# Altium PCB SDR.PcbDoc (part 4 of 5) (continued)
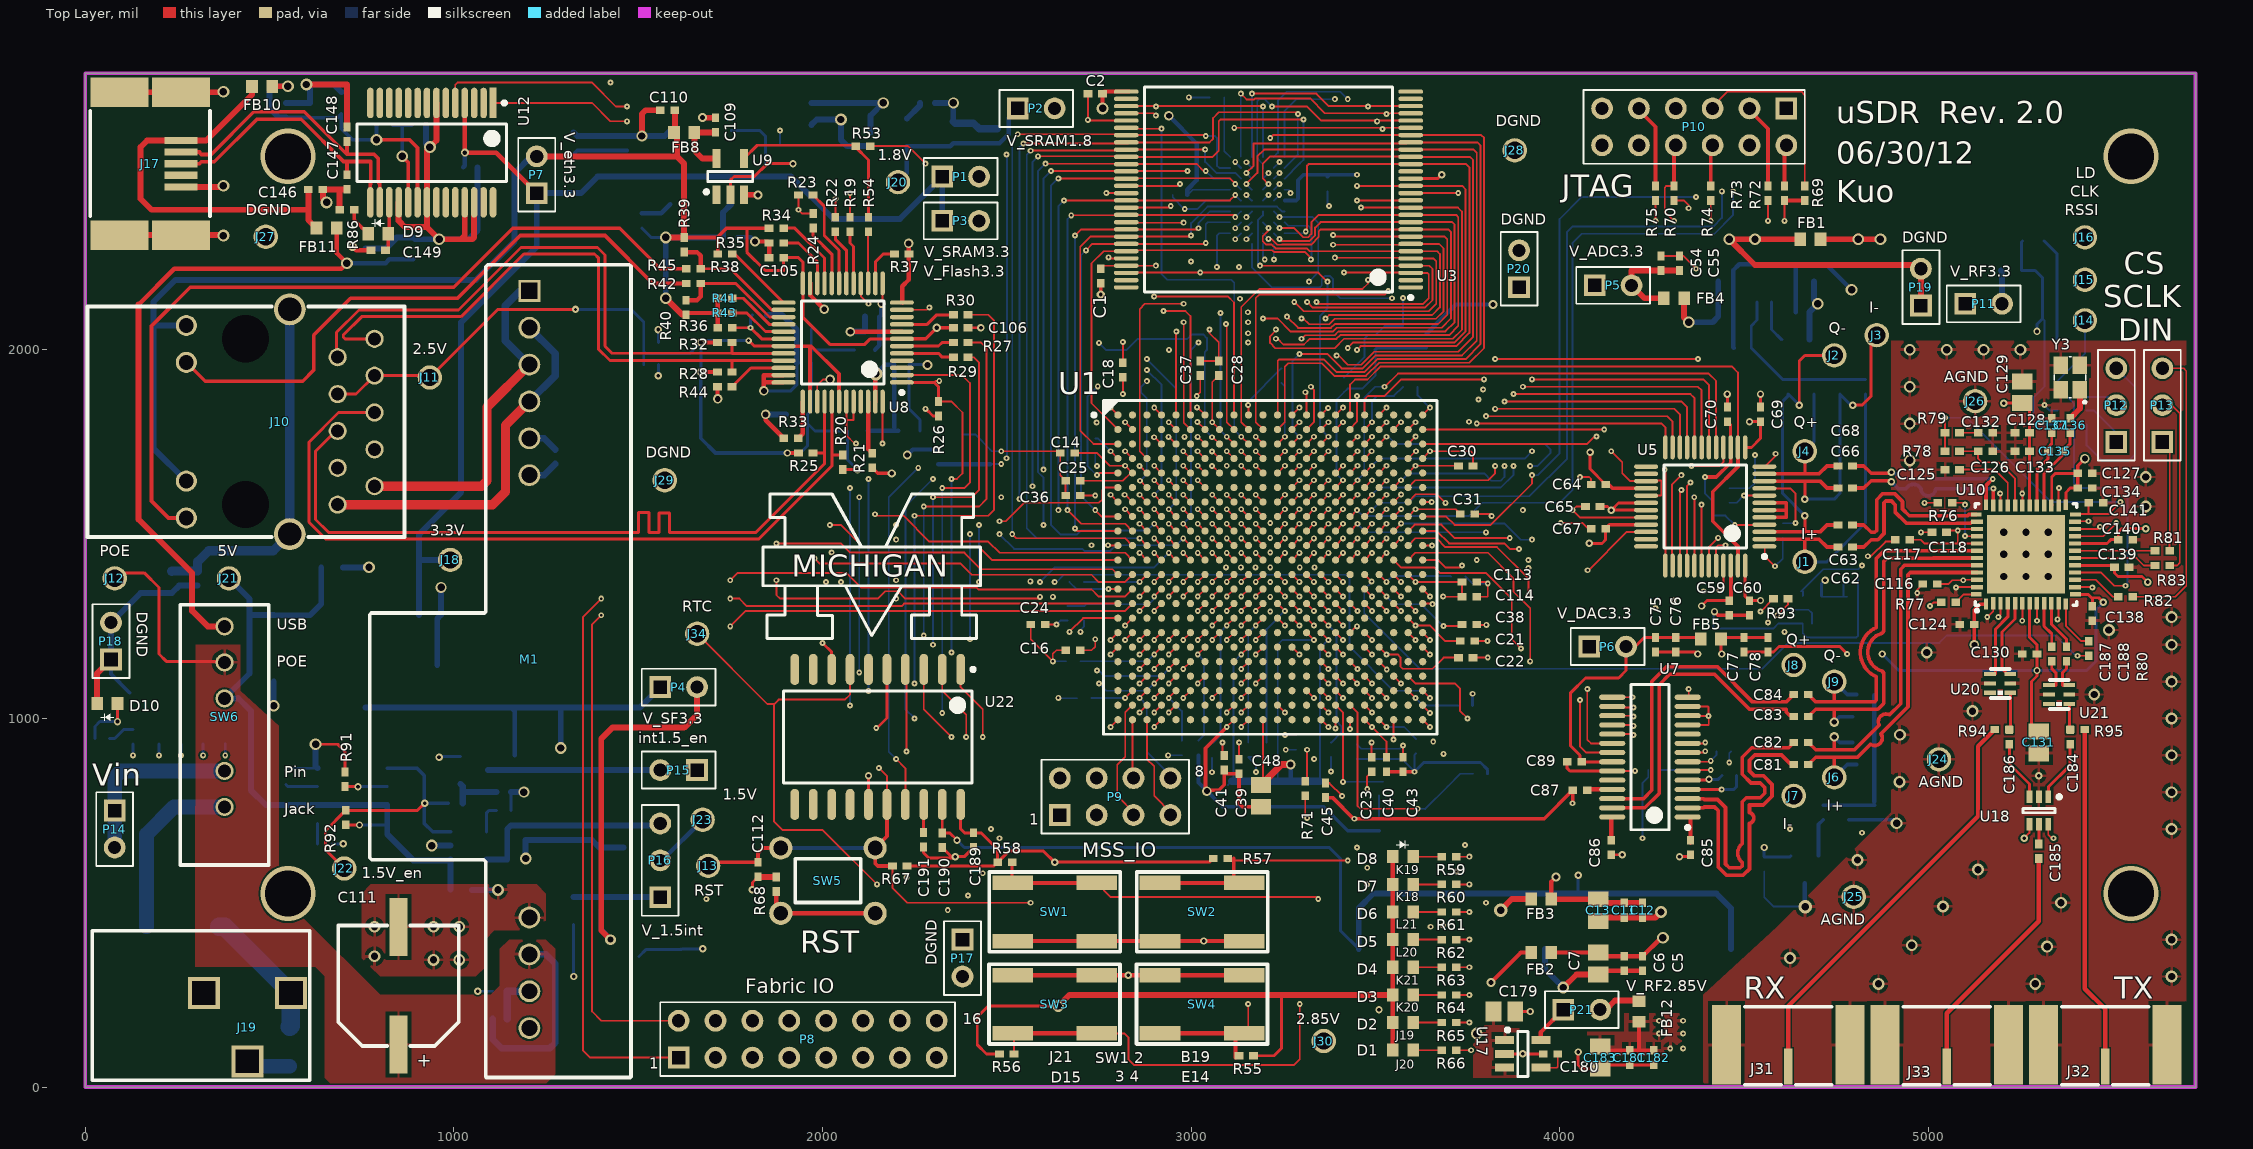
[diagram p0: Top Layer view]
## Nets (pads, with @x,y where several pads share a name; then routed paths per layer and width w, separated by ;. In a path a pad name is that pad's centre, name@x,y a point inside that pad or via, vN(x,y) a via of type N, cw(c..) or ccw(c..) an arc to the next point about the centre after c; other vN are vias at no path point) (continued)
  Top Layer w12: FB2.2@3977.56,365 C7.1@4104.53,365 ; C7.1@4114.84,354.69 C6.2@4175,354.69 C5.2@4225,354.69 v2@4275.31,405
  Mid-Layer 2 w5: v1(3085,935) 3080,940 3080,1040 3096.89,1056.89 v1(3096.89,1213.15) ; v1(3130.5,935) 3125,935 3115,945 3115,1034.41 v1(3136.26,1055.67) ; v1(3175.63,1095.04) 3214.96,1095.04 3235,1075 3235,975 v1(3255,955)
  Mid-Layer 4 w5: v1(3085,935) v1(3130.5,935) 3150.5,955 v1(3255,955) 3468.66,955 v1(3490.59,976.93) ; v1(3372.48,1055.67) v1(3411.85,1055.67) v1(3490.59,976.93) ; 3510,825 3510,957.52 v1(3490.59,976.93)
  Mid-Layer 4 w12: 3510,825 3510,670 3745,435 4250,435 v2(4280,405)
  Bottom Layer w5: v1(3255,955) C42.2@3284.69,955
VCC1.8: C155.2 C156.2 C160.1 J20.1 P2.1 U14.5 | length 477.3
  Bottom Layer w12: J20.1@2205,2455 2229.21,2479.21 U14.5@2229.21,2552.6 2347.13,2552.6 C160.1@2355,2560.47 2424.84,2560.47 C155.2@2425,2560.31 C156.2@2475,2560.31 2480.31,2560.31 2505,2585 2505,2630 P2.1@2530,2655
VCC1.8_SRAM: C4.2 P2.2 U2.D6 | length 755.1
  Mid-Layer 4 w12: P2.2@2630,2655 2675,2700 2910,2700 2940,2670 v4(2940,2635)
  Bottom Layer w5: C4.2@2989.69,2420 3004.21,2434.53 U2.D6@3106.18,2434.53
  Bottom Layer w12: v4(2940,2635) 3015,2560 3015,2460 2989.69,2434.69 C4.2@2989.69,2420
VCC2.5: C93.2 C94.2 C101.1 C102.2 C103.2 C104.2 FB6.2 FB7.2 J10.3 J10.4 J11.1 R20.1 R25.1 R28.1 R32.1 U8.31 U8.38 U8.42 | length 3273.1
  Top Layer w8: J10.4@685,1880 735,1880 J10.3@785,1930 930,1930 J11.1@935,1925 1120,2110 v11(1330,2110) ; v12(1800,2025) 1814.84,2010.16 U8.31@1894.57,2010.16 ; R20.1@2055,1675.32 2055.31,1675 v3(2095,1675)
  Top Layer w10: v7(1670,1940) R28.1@1715.32,1940 ; v7(1670,2020) R32.1@1715.32,2020 ; U8.31@1893.74,2010 1894.57,2010 1970,2010 2045.16,1934.84 U8.42@2045.16,1859.57 ; v3(1905,1720) R25.1@1935.32,1720 ; U8.38@1966.42,1858.58 U8.38@1966.42,1859.57 1966.42,2006.42
  Bottom Layer w8: v11(1330,2110) 1480,2110 1480,2110.63 1515.31,2075.31 C94.2@1515.31,2020 1515.31,1994.69 ; C93.2@1515.31,1960 1515.31,1994.69 ; v7(1670,1940) v7(1670,2020) ; v12(1800,2025) 1675,2025 v7(1670,2020) ; 1940,1720 1959.84,1739.84 C101.1@1959.84,1800.16 ; C103.2@1969.69,2055 1969.69,2000 ; FB6.2@2087.44,2000 1969.69,2000 ; v3(2095,1675) 2067.44,1702.56 FB7.2@2067.44,1780 1980,1780 C101.1@1959.84,1800.16 ; 1515.31,1994.69 1520,1990 1640,1990 v7(1670,2020) ; C101.1@1959.84,1800.16 C101.1@1959.84,1825 1969.69,1834.84 C104.2@1969.69,1905 1970,1905.31 C102.2@1970,1965 1969.69,1965.31 1969.69,2000
  Bottom Layer w10: v7(1670,1940) 1670,1760 1710,1720 v3(1905,1720) 1940,1720
VCC2.85: J30.1 P21.1 U17.5 | length 902.5
  Top Layer w12: U17.5@3949.21,127.4 3949.21,149.21 P21.1@4010,210
  Mid-Layer 4 w12: J30.1@3360,125 3425,60 3955,60 4010,115 P21.1@4010,210
VCC2.85A_RF: C116.1 C117.1 C118.1 C124.2 C127.2 C128.2 C129.1 C133.2 C134.2 C139.2 C140.2 C181.2 C182.2 C183.1 FB12.2 U10.1 U10.17 U10.20 U10.25 U10.27 U10.30 U10.39 U10.41 U10.46 | length 1848.7
  Top Layer w5: C117.1@4944.69,1480 C117.1@4949.69,1485 4980,1485 4990.47,1474.53 5080,1474.53 ; C116.1@5024.69,1365 5055,1365 5065,1375 v1(5095,1375) 5096.1,1376.1 U10.46@5132.13,1376.1 ; C118.1@5049.69,1505 5054.69,1510 v1(5080,1510) ; U10.41@5132.13,1474.53 5080,1474.53 ; U10.39@5132.13,1513.9 5083.9,1513.9 v1(5080,1510) ; 5080,1474.53 v1(5080,1510)
  Top Layer w8: v3(5205,1855) 5205.47,1855.47 C129.1@5255,1855.47 ; U10.30@5274.69,1578.03 C133.2@5274.69,1725 C128.2@5274.69,1775 C129.1@5274.69,1835.79 ; U10.27@5335,1578.98 5335,1655 5345,1665 C127.2@5405.31,1665 ; U10.25@5373.27,1579.84 5373.27,1613.27 5385,1625 C134.2@5405.31,1625 ; U10.17@5397.87,1415.47 C139.2@5504.53,1415.47 ; U10.20@5397.87,1474.53 5484.53,1474.53 5495,1485 C140.2@5515.31,1485 5515.31,1505.31 5525,1515 v3(5590,1515) ; C139.2@5505.31,1410 5505.31,1394.69 5515,1385 5580,1385 v3(5595,1370)
  Top Layer w10: C183.1@4110,109.53 4119.84,99.69 C181.2@4190,99.69 4215,99.69 ; FB12.2@4215,177.44 4215,99.69 ; C182.2@4255,99.69 4215,99.69 ; v4(5125,1200) 5125,1254.69 C124.2@5124.69,1255 5124.69,1294.69 5140.16,1310.16 U10.1@5156.73,1310.16 ; U10.27@5333.9,1577.87 U10.27@5335,1578.98 ; C134.2@5405.31,1625 C127.2@5405.31,1665 5405.31,1685.31 v4(5425,1705)
  other v1: 4300,105 4335,105 4270,145 4335,145 4270,180 4335,180
VCC3.3: C142.2 C150.2 C151.2 C152.1 C189.2 D1.1 D2.1 D3.1 D4.1 D5.1 D6.1 D7.1 D8.1 J18.1 P1.1 P3.1 P4.1 P5.1 P6.1 P7.1 P10.7 P10.10 P11.1 R55.2 R56.2 R57.2 R58.2 R67.2 R87.2 U12.4 U13.2 U13.4 U22.20 | length 14276.4
  Top Layer w8: R67.2@2229.69,600 2465.32,600 R58.2@2475.31,610 ; U22.20@2375,766.93 2375,700 2385.31,689.69 C189.2@2410,689.69 2430.31,689.69 2475.31,644.69 R58.2@2475.31,610 ; R56.2@2480.31,90 2445,90 2420,115 2420,190 2450,220 v2(2640,220) ; R57.2@3060.31,620 3050.32,610 v3(2630,610) 2600,640 2505.32,640 R58.2@2475.31,610 ; R55.2@3169.69,85 3225,85 3245,105 3245,245 3250,250
  Top Layer w12: U12.4@1029.57,2669.84 1029.57,2535.43 v7(1030,2535) 1115,2535 P7.1@1225,2425 ; D1.1@3547.44,100 D2.1@3547.44,175 D3.1@3547.44,250 D4.1@3547.44,325 D5.1@3547.44,400 D6.1@3547.44,475 D7.1@3547.44,550 D8.1@3547.44,625
  Top Layer w16: v2(2640,220) 2670,250 3250,250 D3.1@3547.44,250
  Mid-Layer 3 w8: v3(2630,610) 2640,600 v2(2640,220)
  Mid-Layer 4 w16: v2(1290,920) 1325,885 1325,380 1460,245 2615,245 v2(2640,220) ; P3.1@2325,2350 2325,2215 2361.5,2178.5 2928.5,2178.5 2947.5,2159.5 3400.56,2159.5 3461.06,2220 4050,2220 P5.1@4095,2175 ; P6.1@4080,1195 3975,1300 3975,2055 P5.1@4095,2175 ; P10.7@4315,2655 P10.10@4215,2555 4215,2285 4230,2270 ; P11.1@5100,2125 5100,2200 5030,2270 4230,2270 ; P5.1@4095,2175 4190,2270 4230,2270
  Bottom Layer w12: C142.2@1025.31,2495 1030,2499.69 v7(1030,2535) ; 1155,1029.37 1165,1019.37 R87.2@1165,899.69
  Bottom Layer w16: 760,1029.37 1155,1029.37 1290,1029.37 ; C152.1@905.97,1280.5 905.97,1430 ; J18.1@990,1430 905.97,1430 ; v2(1290,920) 1290,1029.37 ; P4.1@1560,1085 1504.37,1029.37 1290,1029.37 ; P3.1@2325,2350 P1.1@2325,2470 2210,2355 2030,2355 1915,2470 1390,2470 1345,2425 P7.1@1225,2425 1225,2280 1020,2075 1020,1614.03 905.97,1500 905.97,1430
VCC3.3_ADC: C54.2 C55.2 C59.1 C64.2 C67.2 C70.2 FB4.1 P5.2 R10.1 U5.15 U5.28 U5.33 U5.46 | length 2811.1
  Top Layer w8: v3(4080,1475) 4115,1475 4124.69,1484.69 C67.2@4124.69,1515 ; v3(4082.5,1722.5) 4082.5,1677.19 C64.2@4124.69,1635 ; v3(4385,1305) 4399.69,1319.68 C59.1@4460,1319.68 ; C70.2@4455,1805.31 4463.9,1796.42 U5.15@4463.9,1735.43
  Top Layer w10: C67.2@4124.69,1515 4135.47,1525.79 U5.33@4233.58,1525.79 ; C64.2@4125.05,1635 4132.56,1635 4143.35,1624.21 U5.28@4233.58,1624.21 ; v1(4394.5,1655) 4425,1655 4463.9,1693.9 U5.15@4463.9,1735.43 ; U5.46@4463.9,1413.58 4465,1412.48 C59.1@4465,1319.68
  Top Layer w16: FB4.1@4282.44,2140 4230,2140 P5.2@4195,2175 4195,2215 4194.69,2215.31 C54.2@4275,2215.31 C55.2@4325,2215.31
  Mid-Layer 4 w16: P5.2@4195,2175 4079,2059 4079,1726 v3(4082.5,1722.5) 4080,1720 v3(4080,1475) 4055,1450 4055,1310 4086,1279 4359,1279 v3(4385,1305) 4360,1330 4355,1330 4355,1465 4415,1525 4415,1634.5 v1(4394.5,1655)
  Bottom Layer w5: v1(4394.5,1655) 4394.5,1610.18 R10.1@4415,1589.68
VCC3.3_DAC: C75.2 C76.2 C89.1 FB5.1 P6.2 U7.22 | length 737.2
  Top Layer w8: U7.22@4142.64,882.5 C89.1@4059.69,882.5 4055,887.18 4055,900 4030,925 4030,1070 4070,1110 4160,1110 4180,1130 P6.2@4180,1195 4205,1195 4229.69,1219.69 C75.2@4260,1219.69 C76.2@4315,1219.69 4377.76,1219.69 FB5.1@4382.44,1215
VCC3.3_ETH: C90.2 C91.2 C92.1 C105.2 C106.2 C108.2 C110.2 FB8.2 J10.11 J10.13 P7.2 R21.2 R26.2 R34.1 R36.2 R38.2 R39.2 R40.2 R41.2 R43.2 R49.1 U8.7 U8.24 Y2.4 | length 5083.9
  Top Layer w8: 1795,2330 1795,2265 1845,2215 1895,2215 1894.69,2215.31 C105.2@1894.69,2250 1935,2250 1946.73,2238.27 U8.24@1946.73,2181.42 ; U8.24@1946.73,2180.43 1946.73,2088.27 2020,2015 2115,2015 2129.84,2029.84 U8.7@2215.43,2029.84 ; v1(2280,1840) 2299.69,1820.31 R26.2@2315,1820.31
  Top Layer w10: P7.2@1225,2525.32 1345,2525.32 ; R39.2@1625,2304.69 1714.69,2304.69 ; R38.2@1715.63,2260 1715.63,2303.74 1714.69,2304.69 ; R34.1@1855.32,2330 1795,2330 1740,2330 1714.69,2304.69 ; R21.2@2135,1680.31 2150.32,1665 v7(2188,1665) ; U8.7@2216.42,2029.84 2216.57,2030 2280,2030 v7(2310,2060) C106.2@2355.31,2060
  Top Layer w12: R40.2@1634.69,2100 R43.2@1715.63,2100 ; R36.2@1715.63,2060 R43.2@1715.63,2100 ; R41.2@1715.63,2140 R43.2@1715.63,2100
  Top Layer w16: P7.2@1225,2525 1605,2525 ; v2(1575,2140) 1619.69,2095.31 R40.2@1630,2095.31 ; v2(1575,2305) 1624.68,2305 R39.2@1625,2304.69 1625,2505 1605,2525 ; C110.2@1599.69,2650 1599.69,2592.24 FB8.2@1597.44,2590 1605,2582.44 1605,2525
  Bottom Layer w8: R49.1@1510,2330.32 1535.32,2305 v2(1575,2305)
  Bottom Layer w10: P7.2@1225,2525.32 1319.53,2525.32 C92.1@1325,2530.79 1334.84,2540.63 C90.2@1400,2540.63 C91.2@1470,2540.63
  Bottom Layer w16: 186.02,2066.02 J10.11@274.37,2066.02 ; J10.13@274.37,1643.98 185,1733.35 185,2130 245,2190 1060,2190 1165,2295 1165,2480 P7.2@1210.32,2525.32 ; v2(1575,2140) v2(1575,2305) C108.2@1730.31,2305 1730.31,2372.64 Y2.4@1752.68,2395
  Bottom Layer w20: P7.2@1210.32,2525.32 P7.2@1225,2525.32
VCC3.3_FLASH: C1.2 C2.2 P3.2 U3.16 U3.29 U3.43 U3.53 | length 2279
  Top Layer w5: C1.2@2755,2219.69 2763.62,2228.31 U3.53@2824.17,2228.31 ; v1(2770.16,2425.16) U3.43@2824.17,2425.16 U3.43@2832.05,2425.16 ; U3.53@2832.05,2228.31 v1(2904.5,2228.31)
  Top Layer w8: U3.16@3595.83,2464.53 3669.53,2464.53 v3(3680,2475)
  Top Layer w10: v2(2760,2655) 2759.69,2655.31 C2.2@2759.69,2695 2765.43,2700.75 U3.29@2824.17,2700.75 U3.29@2832.05,2700.75 ; U3.16@3587.95,2464.53 U3.16@3595.83,2464.53
  Mid-Layer 2 w10: v1(2904.5,2228.31) v1@2905.31,2228.31
  Mid-Layer 3 w10: P3.2@2425,2350 2428,2347 2692,2347 v1(2770.16,2425.16) ; v2(2760,2655) 2760,2435.31 v1(2770.16,2425.16) ; v1(2904.5,2228.31) 2904.5,2290.81 v1(2770.16,2425.16)
  Mid-Layer 4 w10: v2(2760,2655) 2853.73,2561.27 3188.73,2561.27 3210,2540 3615,2540 v3(3680,2475)
VCC3.3_RF: C119.2 C120.2 FB9.1 P11.2 R76.1 U19.5 | length 2080.3
  Top Layer w5: v1(4990,1585) R76.1@5025.31,1585
  Mid-Layer 2 w5: v1(4990,1585) 4990,2035 5005,2050 5185,2050 5200,2065 P11.2@5200,2125
  Mid-Layer 4 w8: v3(4720,1375) 4720,1410 4760,1450 4760,1865 4960,2065 5140,2065 P11.2@5200,2125
  Bottom Layer w5: U19.5@4710.59,1332.4 4712.99,1330 C120.2@4770.31,1330 ; C119.2@4770.31,1380 C120.2@4770.31,1330 ; C120.2@4780.31,1330 C120.2@4770.31,1330
  Bottom Layer w8: U19.5@4710.59,1332.4 4710.59,1365.59 v3(4720,1375)
  Bottom Layer w16: FB9.1@5197.44,2215 5200,2212.44 P11.2@5200,2125
VCC3.3_SF: C14.2 C15.2 C16.2 C17.2 C18.2 C19.2 C20.2 C21.2 C22.2 C23.2 C24.2 C25.2 C26.2 C27.2 C28.2 C29.2 C30.2 C31.2 C113.2 C114.2 C115.2 FB3.1 L3.1 P4.2 Q2.3 R71.1 U1.B5 U1.B8 U1.B15 U1.B18 U1.C12 U1.E2 U1.E7 U1.E10 U1.E13 U1.E16 U1.E21 U1.F5 U1.F18 U1.G9 U1.G11 U1.G13 U1.G15 U1.H2 U1.H16 U1.H21 U1.J5 U1.J7 U1.J18 U1.K16 U1.L7 U1.L19 U1.M3 U1.M16 U1.M19 U1.M21 U1.N5 U1.N7 U1.N18 U1.P16 U1.R2 U1.R21 U1.T2 U1.T7 U1.T16 U1.T21 U1.U4 U1.U19 U1.Y2 U1.Y5 U1.Y21 | length 6214.1
  Top Layer w5: C24.2@2604.69,1255 v1(2635,1255) ; C14.2@2684.69,1720 2745,1720 2779.41,1685.59 v1(2821.3,1685.59) U1.E2@2840.98,1665.91 2835.91,1665.91 2815,1645 C25.2@2699.69,1645 ; C16.2@2699.69,1185 2730,1185 2740,1195 v1(2740,1215) ; v1(2815,1880) C18.2@2815,1925 ; v1(2821.3,1055.67) U1.Y2@2840.98,1075.35 ; v1(2821.3,1213.15) U1.T2@2840.98,1232.83 ; v1(2821.3,1252.52) U1.R2@2840.98,1272.2 ; v1(2821.3,1567.48) U1.H2@2840.98,1547.8 ; v1(2860.67,1370.63) U1.M3@2880.35,1390.32 ; v1(2900.04,1173.78) U1.U4@2919.72,1193.46 ; v1(2939.41,1055.67) U1.Y5@2959.09,1075.35 ; v1(2939.41,1331.26) U1.N5@2959.09,1350.94 ; v1(2939.41,1528.11) U1.J5@2959.09,1508.43 ; v1(2939.41,1646.22) U1.F5@2959.09,1626.54 ; v1(2939.41,1803.7) U1.B5@2959.09,1784.02 ; v1(3018.15,1213.15) U1.T7@3037.83,1232.83 ; v1(3018.15,1331.26) U1.N7@3037.83,1350.94 ; v1(3018.15,1449.37) U1.L7@3037.83,1429.69 ; v1(3018.15,1528.11) U1.J7@3037.83,1508.43 ; v1(3018.15,1685.59) U1.E7@3037.83,1665.91 ; C28.2@3075,1930.31 3057.52,1912.83 v1(3057.52,1803.7) U1.B8@3077.2,1784.02 ; v1(3096.89,1606.85) U1.G9@3116.57,1587.17 ; v1(3136.26,1685.59) U1.E10@3155.94,1665.91 ; v1(3175.63,1606.85) U1.G11@3195.32,1587.17 ; U1.C12@3234.69,1744.65 v1(3254.37,1764.33) ; U1.G13@3274.06,1587.17 v1(3293.74,1606.85) ; U1.E13@3274.06,1665.91 v1(3293.74,1685.59) ; R71.1@3310,790.32 3310,735 v1(3315,730) ; U1.G15@3352.8,1587.17 v1(3372.48,1606.85) ; U1.B15@3352.8,1784.02 v1(3372.48,1803.7) ; U1.T16@3392.17,1232.83 v1(3411.85,1213.15) ; U1.P16@3392.17,1311.57 v1(3411.85,1291.89) ; U1.M16@3392.17,1390.32 v1(3411.85,1370.63) ; U1.K16@3392.17,1469.06 v1(3411.85,1488.74) ; U1.H16@3392.17,1547.8 v1(3411.85,1567.48) ; U1.E16@3392.17,1665.91 v1(3411.85,1685.59) ; U1.N18@3470.91,1350.94 v1(3490.59,1331.26) ; U1.J18@3470.91,1508.43 v1(3490.59,1528.11) ; U1.F18@3470.91,1626.54 v1(3490.59,1646.22) ; U1.B18@3470.91,1784.02 v1(3490.59,1803.7) ; C23.2@3490,894.69 v1(3490,935) ; U1.U19@3510.28,1193.46 v1(3529.96,1173.78) 3560.22,1173.78 3568,1166 3568,1141 3574,1135 3655,1135 3685,1165 C22.2@3720,1165 ; U1.M19@3510.28,1390.32 v1(3529.96,1370.63) ; U1.L19@3510.28,1429.69 v1(3529.96,1449.37) ; U1.Y21@3589.02,1075.35 v1(3608.7,1055.67) ; U1.T21@3589.02,1232.83 v1(3608.7,1213.15) ; U1.R21@3589.02,1272.2 v1(3608.7,1252.52) 3647.48,1252.52 3690,1210 C21.2@3730.31,1210 ; U1.M21@3589.02,1390.32 v1(3608.7,1370.63) C113.2@3725.94,1370.63 ; U1.H21@3589.02,1547.8 v1(3608.7,1567.48) 3717.83,1567.48 C31.2@3730.31,1555 ; U1.E21@3589.02,1665.91 v1(3608.7,1685.59) 3725.31,1685.59 C30.2@3734.72,1685.59 ; v1(3684,1331) 3685,1330 C114.2@3735.31,1330 ; 3735.31,1340 C113.2@3735.31,1370
  Top Layer w16: v14(1425,400) 1400,425 1400,945 1430,975 1625,975 1660,1010 P4.2@1660,1085 ; v5(3840,480) 3870,510 FB3.1@3922.44,510
  Mid-Layer 2 w5: v1(2635,1255) 2637.48,1252.52 v1(2821.3,1252.52) ; v1(2740,1215) 2753.65,1228.65 2788.35,1228.65 2803.85,1213.15 v1(2821.3,1213.15) ; v1(3411.85,1213.15) 3470,1155 3470,955 v1(3490,935)
  Mid-Layer 3 w5: v1(2815,1880) 2815,1850 2861.3,1803.7 v1(2939.41,1803.7)
  Mid-Layer 4 w16: 3660,770 3840,590 v5(3840,480)
  Bottom Layer w5: v1(2635,1255) 2645.32,1265.32 L3.1@2665,1265.32 ; C27.2@2699.69,1155 2881.26,1155 v1(2900.04,1173.78) ; C26.2@2709.69,1370 2710.31,1370.63 v1(2860.67,1370.63) ; C17.2@2730.35,1055.67 v1(2821.3,1055.67) ; v1(2939.41,1055.67) 2975,1020.08 C15.2@2975,939.69 ; C19.2@3245,1910.31 3254.37,1900.94 v1(3254.37,1764.33) ; v1(3490.59,1803.7) 3490.59,1860.59 3505,1875 3550.31,1875 C29.2@3575.31,1900 ; v1(3529.96,1370.63) 3545.46,1386.13 3704.19,1386.13 C115.2@3705.31,1385 ; v1(3608.7,1055.67) 3629.37,1035 C20.2@3724.31,1035
  Bottom Layer w16: Q2.3@1399.84,478.5 1399.84,425.16 v14(1425,400)
VCC3.3_SRAM: C3.2 P1.2 U2.E1 | length 1354.2
  Mid-Layer 4 w10: P1.2@2425,2470 2448,2447 2913.46,2447 2935.46,2425 3035,2425 3075,2385 3290,2385 3380,2475 v1(3450,2475)
  Bottom Layer w10: U2.E1@3253.82,2405 3285,2405 3290,2410 3290,2460 3305,2475 C3.2@3370,2475 ; C3.2@3370,2469.69 3375.32,2475 v1(3450,2475)
VCC3.3A_ADC: C56.2 C57.2 C58.2 C60.2 C65.2 C69.2 FB4.2 U4.1 U5.13 U5.30 U5.31 U5.48 | length 911.6
  Top Layer w8: C65.2@4109.69,1575 4130,1575 v3(4140,1565) v3@4140.16,1565.16 ; U5.31@4234.57,1565.16 v3@4140.16,1565.16 ; U5.30@4234.57,1584.84 4159.84,1584.84 v3@4140.16,1565.16 ; U5.48@4503.27,1414.57 4503.27,1331.42 C60.2@4515,1319.69 4515.31,1320 v3(4545,1320) ; U5.13@4503.27,1735.43 4520.43,1735.43 4545,1760 C69.2@4545,1805.31 4515.31,1805.31 v3(4515,1805)
  Top Layer w16: FB4.2@4337.56,2140 4337.56,2087.44 v2(4350,2075)
  Bottom Layer w16: v2(4350,2075) 4415,2075 4430.31,2090.31 C56.2@4430.31,2135 C57.2@4430.31,2185 ; U4.1@4677.4,2027.6 4677.4,2102.4 v2(4700,2125) 4690,2135 C58.2@4690,2185.31
VCC3.3A_DAC: C77.2 C78.2 C79.2 C85.1 C86.1 C88.1 FB5.2 U6.1 U7.5 | length 430.2
  Top Layer w8: C86.1@4140,630.32 4169.69,630.32 v3(4170,630) ; v3(4325,625) 4349.68,625 C85.1@4355,630.32 ; U7.5@4347.36,832.5 4402.5,832.5 v3(4405,835) ; v3(4440,1175) 4437.56,1177.44 FB5.2@4437.56,1215 4442.24,1219.69 C77.2@4500,1219.69 C78.2@4565,1219.69
  Bottom Layer w8: v3(4405,835) 4430.32,835 4437.81,842.5 C88.1@4440.31,845 ; v3(4555,650) 4554.69,649.69 4554.69,625 C79.2@4555,624.69 4624.88,624.69 U6.1@4627.6,627.4
VCC3.3A_RF: C121.2 C122.2 C123.1 C130.2 C131.1 C138.2 FB9.2 U10.7 U10.13 U11.1 | length 3171
  Top Layer w8: U10.7@5274.84,1312.13 5274.84,1220.16 5295,1200 5295,1175.32 C130.2@5294.69,1175 5294.69,1130.31 v3(5295,1130) 5295,1115 5280,1100 5280,984.53 C131.1@5294.69,969.84 ; U10.13@5399.84,1336.73 5433.27,1336.73 5442.5,1327.5 ; C138.2@5445,1304.69 5445,1325 5442.5,1327.5 ; v3(5475,1315) 5462.5,1327.5 5442.5,1327.5
  Mid-Layer 4 w8: v3(4875,1175) 4870,1180 4870,1915 4905,1950 5265,1950 5295,1980 v3(5295,2050)
  Bottom Layer w5: C121.2@5310.31,2085 5315,2080.32 5315,1900 5285,1870 5285,1810 5297.4,1797.6 U11.1@5350.63,1797.6
  Bottom Layer w8: v3(4875,1175) 4920,1130 v3(5295,1130) 5430,1130 5455,1155 5455,1295 v3(5475,1315) ; C123.1@5255.47,2295 5252.56,2292.09 FB9.2@5252.56,2215 5290,2215 5310.31,2194.69 C122.2@5310.31,2150 C121.2@5310.31,2085 5295,2069.69 v3(5295,2050)
VCC3.3A_SF: C11.2 C12.2 C13.1 C43.2 C44.2 C45.2 C46.2 FB3.2 U1.AB10 U1.T8 U1.U7 U1.U16 U1.V10 U1.W15 U1.Y19 | length 2898.4
  Top Layer w5: v1(3018.15,1173.78) U1.U7@3037.83,1193.46 ; v1(3057.52,1213.15) U1.T8@3077.2,1232.83 ; v1(3136.26,976.93) U1.AB10@3155.94,996.61 ; v1(3136.26,1134.41) U1.V10@3155.94,1154.09 ; U1.W15@3352.8,1114.72 v1(3372.48,1095.04) ; C45.2@3365,824.69 3375.31,824.69 v1(3410,790) ; U1.U16@3392.17,1193.46 v1(3411.85,1173.78) ; U1.Y19@3510.28,1075.35 v1(3529.96,1055.67) ; C43.2@3575,894.69 v1(3575,927)
  Top Layer w12: FB3.2@3977.56,510 3977.56,557.56 v6(3990,570)
  Top Layer w15: FB3.2@3977.56,510 C13.1@4104.53,510
  Top Layer w16: C13.1@4114.84,499.69 C11.2@4175,499.69 C12.2@4225,499.69
  Mid-Layer 2 w5: v1(3529.96,1055.67) 3550,1035.63 3550,996 3587.5,958.5 3587.5,939.5 v1(3575,927)
  Mid-Layer 3 w5: v1(3372.48,1095.04) 3353,1075.56 3353,847 v1(3410,790)
  Mid-Layer 4 w5: v1(3018.15,1173.78) v1(3057.52,1213.15) v1(3136.26,1134.41) ; v1(3136.26,976.93) 3116,997.19 3116,1114.15 v1(3136.26,1134.41) ; v1(3411.85,1173.78) 3411.85,1134.41 ; v1(3529.96,1055.67) 3529.96,1110.04 3525,1115 3431.26,1115 3411.85,1134.41 ; v1(3136.26,1134.41) 3333.11,1134.41 v1(3372.48,1095.04) 3411.85,1134.41
  Mid-Layer 4 w12: v1(3575,927) 3583,927 3940,570 v6(3990,570)
  Bottom Layer w5: v1(3018.15,1173.78) 3035,1156.93 3035,954.68 C44.2@3020,939.69 ; C46.2@3450,929.69 3461.69,918 3566,918 v1(3575,927)
VCC5: C153.1 C159.1 C165.1 C168.2 C169.2 C170.2 C171.2 C172.2 C173.1 C179.1 J21.1 R88.1 R92.1 SW6.3 U13.3 U14.1 U15.1 U16.2 U16.7 U16.8 U17.1 U17.3 | length 9826.1
  Top Layer w8: R92.1@707,711.32 743.68,711.32 v3(744,711) ; v2(3775,145) v2@3777,143
  Mid-Layer 4 w16: v2(2050,2625) 1994,2681 602.01,2681 571.01,2650 290,2650 200,2560 200,1203 348.51,1054.49 373.51,1054.49 375.76,1052.24 453,975 1170,975 1250,895 1250,320.3 1440.3,130 2730,130 2785,185 3670,185 3710,145 v2(3775,145)
  Bottom Layer w8: R88.1@65.69,946 80,946 103.69,969.69 C172.2@130,969.69 ; v3(744,711) 815.49,711 U16.8@819.49,715
  Bottom Layer w16: J21.1@390,1380 445.5,1324.5 445.5,1280.5 ; 414.68,1054.49 SW6.3@378,1054.49 445.5,1121.99 445.5,1280.5 ; 414.68,1055.32 449.49,1020.51 449.49,805.51 490,765 U16.2@630.51,765 U16.7@819.49,765 U16.8@819.49,715 819.49,685.51 890,615 U15.1@988.19,615 ; C153.1@640.47,1410 640.47,1310.47 610,1280 512,1280 U13.3@511.5,1280.5 445.5,1280.5 ; C165.1@990.79,536.26 U15.1@990.79,617.6 ; C159.1@1970,2610.47 1984.53,2625 v2(2050,2625) 2050,2570.2 2067.6,2552.6 U14.1@2130.79,2552.6
VCC5_JACK: L4.2 SW6.1 | length 492.8
  Bottom Layer w40: L4.2@166.57,435 166.57,685.57 241,760 SW6.1@378,760
VCC5_USB: C157.2 C158.2 C161.1 FB11.2 SW6.5 | length 1895.6
  Top Layer w12: 145,2123.28 241.72,2220 695,2220 702.56,2227.56 v2@702.56,2235 ; FB11.2@682.56,2330 682.56,2262.44 v2(710,2235)
  Top Layer w16: 145,2123.28 145,1540 290.24,1394.76 290.24,1292 332.47,1249.76 SW6.5@378,1249.76
  Bottom Layer w12: v2(710,2235) 710.31,2235.31 C158.2@760,2235.31 C157.2@815,2235.31 825.16,2245.47 C161.1@890,2245.47
VCC_OSC: C71.2 L3.2 U1.N4 | length 277.5
  Top Layer w5: v1(2900.04,1331.26) U1.N4@2919.72,1350.94
  Bottom Layer w5: L3.2@2665,1304.69 C71.2@2710,1304.69 2715.32,1310 2885,1310 2900.04,1325.04 v1(2900.04,1331.26)
VCCPLLA: C8.1 C9.2 C10.2 L1.1 U1.F6 | length 743.9
  Top Layer w5: v1@2484.5,1690.5 v1(2485,1690) ; v1(2978.78,1646.22) U1.F6@2998.46,1626.54
  Mid-Layer 2 w5: v1(2485,1690) 2593.08,1690 2593.58,1690.5 2739.5,1690.5 v1(2745,1685)
  Mid-Layer 3 w5: v1(2745,1685) 2765,1665 2960,1665 v1(2978.78,1646.22)
  Bottom Layer w5: C9.2@2459.69,1690 v1(2485,1690) ; C10.2@2740,1720.31 2740,1690 v1(2745,1685)
  Bottom Layer w12: L1.1@2314.68,1690 2315,1690 2385,1690 C9.2@2455,1690
VCCPLLB: C50.2 C51.2 C52.1 L2.1 U1.F16 | length 596.1
  Top Layer w5: U1.F16@3392.17,1626.54 v1(3411.85,1646.22)
  Bottom Layer w5: v1(3411.85,1646.22) 3395,1663.07 3395,1865.32 C50.2@3415,1885.31 3424.68,1895 3465,1895 3500,1930 C51.2@3500,2000.31
  Bottom Layer w10: C51.2@3500,2000.31 3505.16,2005.47 C52.1@3575,2005.47 L2.1@3637.91,2005.47
VIN+_JACK: J10.9 M1.1 M1.3 | length 942.3
  Top Layer w25: J10.9@785,1630 1075,1630 1090,1645 1090,1845 M1.3@1205,1960
  Bottom Layer w20: M1.3@1205,1960 1140,2025 1140,2120 1180,2160 M1.1@1205,2160
VIN-_JACK: J10.10 M1.2 M1.4 | length 999.4
  Top Layer w25: J10.10@685,1580 1105,1580 1140,1615 1140,1795 M1.4@1205,1860
  Bottom Layer w20: M1.4@1205,1860 1275,1930 1275,1990 M1.2@1205,2060
pads on no net: J10. J10.7 J10.8 J17.4 M1.10 P10.1 U1.A2 U1.A3 U1.A8 U1.A11 U1.A20 U1.A21 U1.AA1 U1.AA6 U1.AA7 U1.AA8 U1.AA11 U1.AA13 U1.AA14 U1.AA19 U1.AA20 U1.AA21 U1.AB5 U1.AB6 U1.AB7 U1.AB8 U1.AB12 U1.AB13 U1.AB14 U1.AB21 U1.B3 U1.B4 U1.C2 U1.C3 U1.C6 U1.C16 U1.C20 U1.D4 U1.D5 U1.D16 U1.D19 U1.D20 U1.E5 U1.E9 U1.E15 U1.E20 U1.E22 U1.F2 U1.F8 U1.F9 U1.F10 U1.F11 U1.F12 U1.F22 U1.G7 U1.M17 U1.M22 U1.N17 U1.N21 U1.P5 U1.P6 U1.R3 U1.R4 U1.R5 U1.R6 U1.R7 U1.R17 U1.R18 U1.R19 U1.R20 U1.R22 U1.T12 U1.T13 U1.T19 U1.T20 U1.U2 U1.U6 U1.U8 U1.U9 U1.U12 U1.U14 U1.U17 U1.U20 U1.U21 U1.V1 U1.V2 U1.V7 U1.V8 U1.V9 U1.V11 U1.V12 U1.V13 U1.V14 U1.V16 U1.V18 U1.V20 U1.V21 U1.V22 U1.W1 U1.W2 U1.W6 U1.W8 U1.W9 U1.W12 U1.W13 U1.W14 U1.W19 U1.W22 U1.Y1 U1.Y7 U1.Y9 U1.Y11 U1.Y12 U1.Y13 U1.Y17 U1.Y20 U2.J1 U2.J5 U2.J6 U3.1 U3.2 U3.17 U3.27 U3.28 U3.30 U3.55 U3.56 U5.25 U5.26 U5.35 U5.36 U7.10 U7.24 U8.3 U8.4 U8.10 U8.45 U9.1 U12.2 U12.3 U12.6 U12.8 U12.9 U12.10 U12.11 U12.12 U12.13 U12.14 U12.22 U12.23 U12.24 U12.27 U12.28 U19.1 U20.6 U21.6 U22.6 U22.9 U22.10 U22.11 U22.12 U22.13 U22.14
copper on no net:
  other v1: 3096.89,1685.59
  other v9: 5550,525 5550,2525

## Polygon pours and split planes (outlines as drawn)
VCC3.3_SF on Mid-Layer 4 "Bottom Layer-No Net" (solid, pour order 35): 2591,1899 2591,1145 1625,1145 1625,1025 2595,1024 2595,725 3754,725 3754,1900
VCC3.3A_ADC on Mid-Layer 4 "Bottom Layer-No Net" (solid, pour order 36): 4525,1275 4575,1325 4575,1825 4600,1850 4700,1850 4725,1875 4725,2175 4700,2200 4350,2200 4325,2175 4325,1875 4300,1850 4135,1850 4100,1815 4100,1325 4150,1275
VCC1.5_SF on Mid-Layer 4 "Top Layer-No Net" (solid, pour order 23): 3050,1575 3050,1245 3380,1245 3380,1575
VCC2.85A_RF on Mid-Layer 4 "Top Layer-No Net" (solid, pour order 20): 4900,1875 4900,225 4875,200 4175,200 4175,150 4075,150 4075,25 5655,25 5700,70 5700,1875 5650,1925 4960,1925
VCC3.3_ETH on Mid-Layer 4 "Bottom Layer-No Net" (solid, pour order 22): 2205,1600 2205,1725 2350,1870 2350,2162 2262,2250 2000,2250 1950,2300 1950,2600 1900,2650 1175,2650 1175,2480 1500,2480 1550,2430 1550,1900 1650,1800 2030,1800 2030,1600
VCC3.3A_DAC on Mid-Layer 4 "Bottom Layer-No Net" (solid, pour order 21): 4095,1100 4095,590 4650,590 4650,665 4460,665 4435,690 4435,1155 4475,1195 4585,1195 4585,1235 4360,1235 4360,1100
no net on Top Overlay "Top Layer-No Net" (none): 1839,1465 1839,1360 2429,1360 2429,1465
no net on Top Overlay "Top Layer-No Net" (none): 1850,1217 1850,1281 1898,1281 1899,1282 1899,1360 1839,1360 1839,1465 1898,1465 1898,1545 1857.45,1545 1857.45,1609 2026,1609 2106,1465 2171,1465 2242,1609 2410,1609 2410,1545 2378,1545 2378,1465 2429,1465 2429,1360 2378,1360 2378,1281 2418,1281 2418,1217 2242,1217 2242,1281 2290,1281 2290,1359 2215,1359 2134,1225 2062,1360 1987,1360 1987,1279 2027,1279 2027,1217
DGND on Mid-Layer 1 "Top Layer-No Net" (solid, pour order 32): 3915,0 3915,575 3860,630 3053,631 2957,727 2957,1248 3488,1248 3509,1232 3509,1119 3965,1119 4022,1065 4022,877 4054,844 4304.08,844 4600,1100 4600,2700 4542.43,2750 4541.28,2749 1.15,2749 0,21 24.18,0
AGND on Mid-Layer 1 "Top Layer-No Net" (solid, pour order 28): 2975,1220 2975,900 3025,850 3025,725 3100,650 3950,650 4000,600 4000,1 5723,-3 5724,2296 5690,2330 4750,2330 4750,1225 4700,1175 4400,865 4360,825 4045,825 4010,860 4010,1055 3965,1100 3495,1100 3495,1175 3450,1220
ETH_POE on Top Layer "Bottom Layer-No Net" (solid, pour order 27): 300,1200 420,1200 420,1075 525,980 525,525 800,250 1100,250 1125,275 1125,375 1150,400 1250,400 1275,375 1275,35 1250,10 665,10 650,25 650,300 625,325 299,326
AGND on Top Layer "Top Layer-No Net" (solid, pour order 33): 4900,2025 5700,2025 5700,0 4389,0 4390,250 4590,435 4900,746
VCC2.85A_RF on Top Layer "Bottom Layer-No Net" (solid, pour order 29): 4080,85 4355,85 4355,200 4175,200 4175,150 4075,150 4075,85
VCC5 on Top Layer "Bottom Layer-No Net" (solid, pour order 24): 3765,240 3765,25 3890,25 3890,160 3850,160 3850,240
DGND on Top Layer "Bottom Layer-No Net" (solid, pour order 31): 750,525 775,550 1225,550 1250,525 1250,450 1225,425 1110,425 1085,400 1085,325 1060,300 800,300 750,350
VCC5 on Bottom Layer "Bottom Layer-No Net" (solid, pour order 25): 110,1102 110,950 435,950 435,1102
AGND on Bottom Layer "Top Layer-No Net" (solid, pour order 34): 4900,2025 5700,2025 5700,0 4389,0 4390,250 4590,250 4590,435 4900,746
VCC3.3 on Bottom Layer "Bottom Layer-No Net" (solid, pour order 30): 510,1140 580,1140 580,1020 805,1020 910.5,1105.5 910.5,1280.5 824.35,1350.5 660,1350 660,1300 600,1240 510,1240
VCC1.5_INT on Bottom Layer "Bottom Layer-No Net" (solid, pour order 26): 1462.44,515.91 1462.44,393.5 1652.44,393.5 1652.44,553.5 1462.44,553.5 1462.44,515.91

## Keep-outs
Keep-Out Layer:
  the board outline again, w10